# Altium PCB Power Distribution Board.PcbDoc (part 1 of 2) (continued)
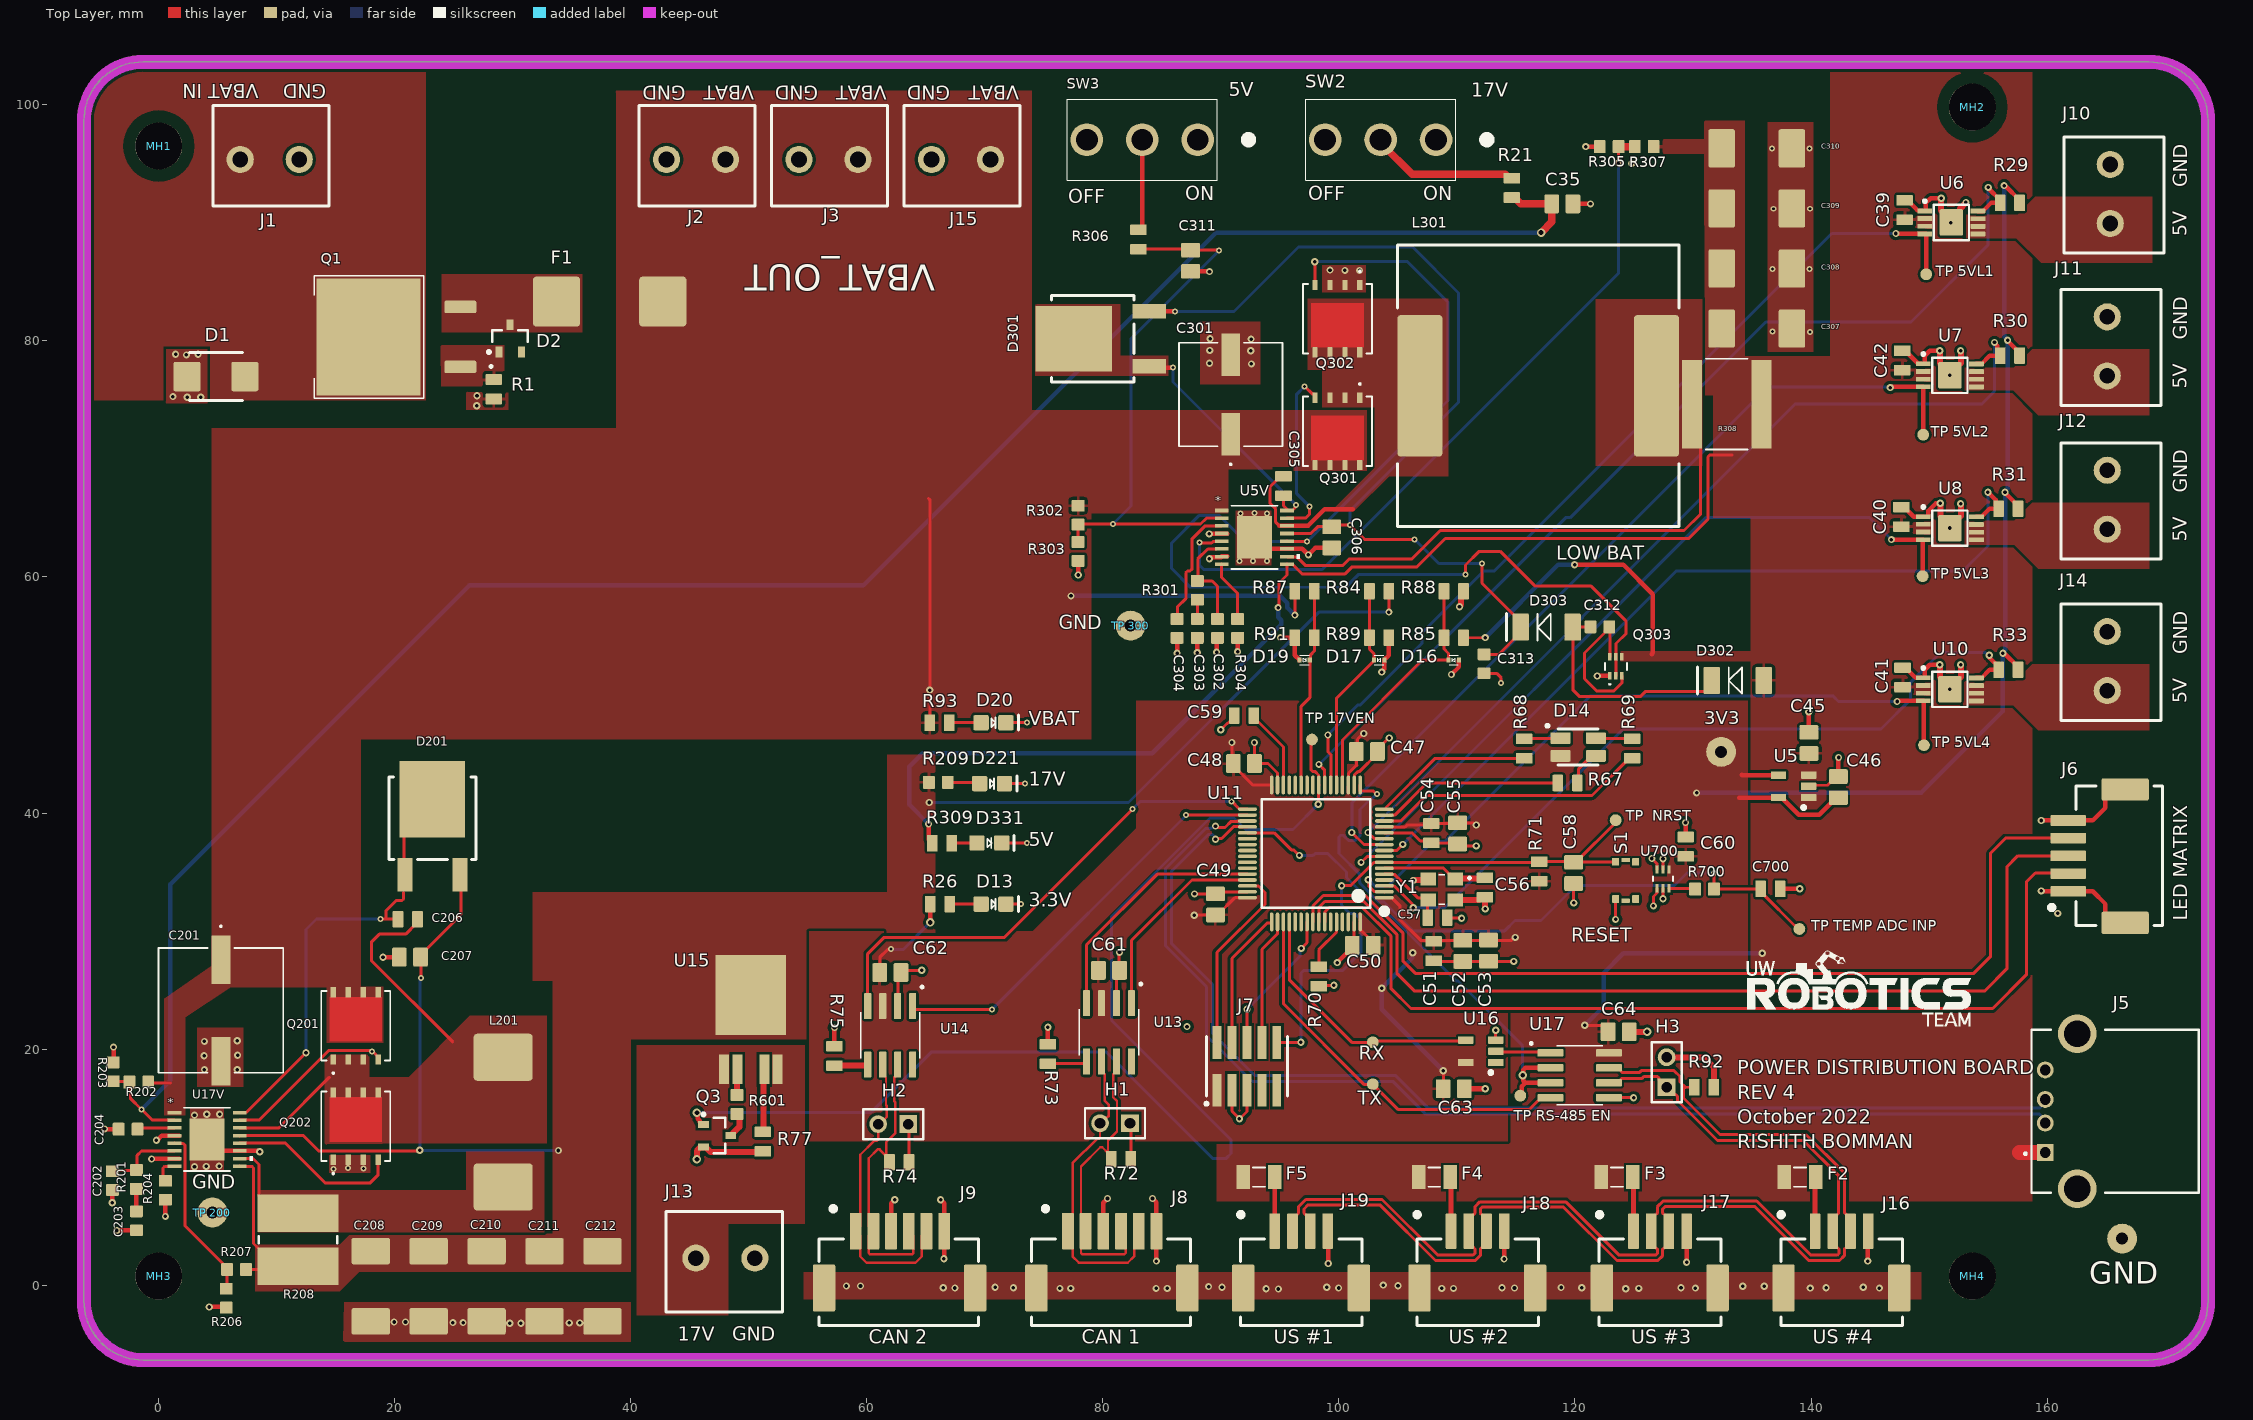
[diagram p0: Top Layer view]
## Components (designator, comment, footprint, x,y, rotation, side; value= is the part's Value field where it differs from the comment)
3V3 "TESTPOINT_LOOP" TESTPOINT_LOOP#1 132.385,45.187 r90 top (schematic designator TP11)
C35 "CAP_0.1uF_50V_0805" CAP2012 118.929,91.618 r180 top value=0.1μF (schematic designator C205)
C39 "CAP_1uF_16V_0805" CAP0805 147.93,91.098 r270 top value=1μF
C40 "CAP_1uF_16V_0805" CAP0805 147.65,65.087 r270 top value=1μF
C41 "CAP_1uF_16V_0805" CAP0805 147.752,51.498 r270 top value=1μF
C42 "CAP_1uF_16V_0805" CAP0805 147.726,78.347 r270 top value=1μF
C45 "CAP_1uF_50V_0805" CAP2012 139.827,45.943 r270 top value=1μF
C46 "CAP_1uF_50V_0805" CAP2012 142.316,42.195 r270 top value=1μF
C47 "CAP_0.1uF_50V_0805" CAP2012 102.362,45.212 r180 top value=0.1μF
C48 "CAP_0.1uF_50V_0805" CAP2012 91.948,44.196 r180 top value=0.1μF
C49 "CAP_0.1uF_50V_0805" CAP2012 89.535,32.258 r270 top value=0.1μF
C50 "CAP_0.1uF_50V_0805" CAP2012 102.012,28.778 r0 top value=0.1μF
C51 "CAP_4.7uF_16V_0805" CAP0805 108.026,28.309 r90 top value=4.7μF
C52 "CAP_0.1uF_50V_0805" CAP2012 110.49,28.321 r90 top value=0.1μF
C53 "CAP_0.1uF_50V_0805" CAP2012 112.674,28.34 r90 top value=0.1μF
C54 "CAP_0.01uF_100V_0805" CAP0805 107.823,38.291 r90 top value=0.01μF
C55 "CAP_1uF_50V_0805" CAP2012 110.058,38.272 r90 top value=1μF
C56 "CAP_14pF_50V_0805" CAP0805 112.37,33.694 r270 top value=14pF
C57 "CAP_14pF_50V_0805" CAP0805 108.343,31.14 r0 top value=14pF
C58 "CAP_1uF_50V_0805" CAP2012 119.888,34.925 r90 top value=1μF
C59 "CAP_4.7uF_16V_0805" CAP0805 91.948,48.26 r0 top value=4.7μF
C60 "CAP_0.01uF_100V_0805" CAP0805 129.388,37.147 r270 top value=0.01μF
C61 "CAP_0.1uF_50V_0805" CAP2012 80.518,26.67 r180 top value=0.1μF
C62 "CAP_0.1uF_50V_0805" CAP2012 61.989,26.486 r180 top value=0.1μF
C63 "CAP_0.1uF_50V_0805" CAP2012 109.728,16.637 r180 top value=0.1μF
C64 "CAP_0.1uF_50V_0805" CAP2012 123.698,21.463 r180 top value=0.1μF
C201 "CAP_47uF_100V_ALUM_1" CAP_UCD_10X10_NCH-M 5.258,23.279 r270 top value=47µF
C202 "CAP_100pF_100V_0603" CAP0603 -3.937,8.852 r270 top value=100pF
C203 "CAP_2200pF_100V_0603" CAP0603 -1.891,5.448 r270 top value=2200pF
C204 "CAP_8200pF_100V_0603" CAP0603 -2.604,13.208 r180 top value=8200pF
C206 "CAP_0.1uF_100V_0805" CAP0805 21.094,30.988 r0 top value=0.1µF
C207 "CAP_1uF_100V_0805" CAP2012 21.279,27.788 r180 top value=1μF
C208 "CAP_22uF_25V_TANT" CAP2917 17.958,-0.098 r270 top value=22μF
C209 "CAP_22uF_25V_TANT" CAP2917 22.866,-0.098 r270 top value=22μF
C210 "CAP_22uF_25V_TANT" CAP2917 27.775,-0.098 r270 top value=22μF
C211 "CAP_22uF_25V_TANT" CAP2917 32.683,-0.098 r270 top value=22μF
C212 "CAP_22uF_25V_TANT" CAP2917 37.592,-0.098 r270 top value=22μF
C301 "CAP_33uF_100V_ALUM" CAP_J-V_8X10P5_RUB-M 90.83,75.463 r90 top value=33µF
C302 "CAP_100pF_100V_0603" CAP0603 89.704,55.639 r270 top value=100pF
C303 "CAP_5600pF_100V_0603" CAP0603 87.994,55.639 r270 top value=5600pF
C304 "CAP_8200pF_100V_0603" CAP0603 86.284,55.639 r270 top value=8200pF
C305 "CAP_0.1uF_100V_0805" CAP0805 95.301,67.704 r90 top value=0.1µF
C306 "CAP_2.2uF_100V_0805" CAP2012 99.39,63.354 r270 top value=2.2μF
C307 "CAP_150uF_16V_TANT_1" CAP2917 135.407,81.051 r0 top value=150μF
C308 "CAP_150uF_16V_TANT_1" CAP2917 135.407,86.14 r0 top value=150μF
C309 "CAP_150uF_16V_TANT_1" CAP2917 135.407,91.228 r0 top value=150μF
C310 "CAP_150uF_16V_TANT_1" CAP2917 135.407,96.317 r0 top value=150μF
C311 "CAP_0.1uF_50V_0805" CAP2012 87.427,86.798 r90 top value=0.1μF
C312 "CAP_1uF_25V_0603" CAP0603 122.11,55.778 r0 top value=1μF
C313 "CAP_1uF_25V_0603" CAP0603 112.293,52.641 r270 top value=1μF
C700 "CAP_0.01uF_100V_0805" CAP0805 136.563,33.579 r180 top value=0.01μF
D1 "TVS_DIODE_BIDIR_51V" TVS_DIODE_BIDIR_SMB 4.84,76.987 r0 top
D2 "DIO_ZENER_51V" SOT23-3 29.769,80.213 r90 top
D13 "DIO_LED_G" LED_0805_GREEN 70.728,32.283 r0 top
D14 "LED_RGB" LED_RGB 120.269,45.593 r270 top
D16 "TVS_DIODE_UNIDIR_3.3V_7A" SOD-923 109.728,52.959 r0 top
D17 "TVS_DIODE_UNIDIR_3.3V_7A" SOD-923 103.409,52.959 r0 top
D19 "TVS_DIODE_UNIDIR_3.3V_7A" SOD-923 97.091,52.959 r180 top
D20 "LED_GREEN" LED_0805_GREEN 70.728,47.65 r0 top
D201 "DIO_SCHOTTKY_100V_5.5A" D-PAK3 23.19,37.973 r0 top
D221 "LED_GREEN" LED_0805_GREEN 70.603,42.494 r0 top
D301 "DIO_SCHOTTKY_100V_5.5A" D-PAK3 80.721,80.188 r90 top
D302 "DIO_SCHOTTKY_30V_2A" SOD-128 133.797,51.232 r180 top
D303 "DIO_SCHOTTKY_30V_2A" SOD-128 117.592,55.753 r180 top
D331 "LED_GREEN" LED_0805_GREEN 70.375,37.465 r0 top
F1 "FUSE_30A_3912" FUSE_3912 38.206,83.337 r0 top
F2 "FUSE_250mA_1206" FUSE_1206 139.065,9.144 r180 top
F3 "FUSE_250mA_1206" FUSE_1206 123.571,9.144 r180 top
F4 "FUSE_250mA_1206" FUSE_1206 108.077,9.144 r180 top
F5 "FUSE_250mA_1206" FUSE_1206 93.218,9.144 r180 top
GND "TESTPOINT_LOOP" TESTPOINT_LOOP#2 155.75,3.937 r180 top (schematic designator TP12)
H1 "JUMPER_2" HDR1X2 82.296,13.716 r180 top
H2 "JUMPER_2" HDR1X2 63.494,13.642 r180 top
H3 "JUMPER_2" HDR1X2 127.762,16.764 r90 top
J1 "CON_2M_TERM" 1935161 9.398,95.377 r180 top
J2 "CON_2M_TERM" 1935161 45.517,95.377 r180 top
J3 "CON_2M_TERM" 1935161 56.744,95.377 r180 top
J5 "USB-A 2.0 Connector" "USB-A 2.0 Connector - 3d ver" 162.56,14.732 r90 top
J6 "CON_5M_SM_RA" MOLEX-5025850570 161.798,33.37 r270 top
J7 "CON_PROGRAMMING" FTSH-105-01-F-DV-K-P-TR 92.202,18.542 r0 top
J8 "CON_6M_SM_RA_1.5mm" MOLEX-5025850670 77.034,4.572 r180 top
J9 "CON_6M_SM_RA_1.5mm" MOLEX-5025850670 59.048,4.572 r180 top
J10 "CON_2M_TERM" 1935161 165.354,92.456 r90 top
J11 "CON_2M_TERM" 1935161 165.1,79.542 r90 top
J12 "CON_2M_TERM" 1935161 165.1,66.548 r90 top
J13 "CON_2M_TERM" 1935161 48.006,2.286 r0 top
J14 "CON_2M_TERM" 1935161 165.1,52.872 r90 top
J15 "CON_2M_TERM" 1935161 67.97,95.377 r180 top
J16 "CON_4M_SM_RA" MOLEX-5025850470 140.343,4.566 r180 top
J17 "CON_4M_SM_RA" MOLEX-5025850470 124.955,4.566 r180 top
J18 "CON_4M_SM_RA" MOLEX-5025850470 109.498,4.572 r180 top
J19 "CON_4M_SM_RA" MOLEX-5025850470 94.56,4.572 r180 top
L201 "IND_22uH_9A" IND_BOURNS_SRP1265 29.185,13.806 r270 top
L301 "IND_10uH_16.5A" IND_Shenzen_Sunlord_MWLA1707 116.886,76.2 r0 top
MH1 "MOUNTING_HOLE_5/32" MOUNTING_HOLE_5/38#1 3.048,98.806 r0 top
MH2 "MOUNTING_HOLE_5/32" MOUNTING_HOLE_5/38#2 120.396,99.314 r0 top
MH3 "MOUNTING_HOLE_5/32" MOUNTING_HOLE_5/38#3 1.524,0.762 r0 top
MH4 "MOUNTING_HOLE_5/32" MOUNTING_HOLE_5/38#4 122.428,0.508 r0 top
Q1 "PMOS_100V_38A" "DPAK254P1524X483-4_3N - new" 19.152,80.34 r180 top
Q3 "PMOS_60V_120mA" SOT23-3 47.302,12.664 r0 top
Q201 "AONS66923" DFN5X6_8L_EP1_P_AOS-L 16.688,21.971 r90 top
Q202 "AONS66923" DFN5X6_8L_EP1_P_AOS-L 16.688,13.462 r90 top
Q301 "AONS66923" DFN5X6_8L_EP1_P_AOS-L 99.873,72.339 r270 top
Q302 "AONS66923" DFN5X6_8L_EP1_P_AOS-L 99.873,81.89 r270 top
Q303 "DUAL_MOSFET_20V_650mA_P&N" ES6-M 123.469,52.426 r90 top
R1 "RES_1kΩ_0805_1%" RES0805 28.397,75.907 r90 top value=1kΩ
R21 "RES_1kΩ_0805_1%_1" RES0805 114.656,92.977 r270 top value=1kΩ (schematic designator R205)
R26 "RES_220Ω_0805_5%" RES0805 66.194,32.283 r180 top value=220Ω
R29 "RES_10kΩ_0805_5%" RES0805 156.845,91.694 r0 top value=10kΩ
R30 "RES_10kΩ_0805_5%" RES0805 156.845,78.76 r0 top value=10kΩ
R31 "RES_10kΩ_0805_5%" RES0805 156.718,65.786 r0 top value=10kΩ
R33 "RES_10kΩ_0805_5%" RES0805 156.718,52.133 r0 top value=10kΩ
R67 "RES_20Ω_0805_1%" RES0805 119.38,42.545 r180 top value=20Ω
R68 "RES_120Ω_0805_1%" RES0805 115.697,45.466 r90 top value=120Ω
R69 "RES_20Ω_0805_1%" RES0805 124.841,45.466 r270 top value=20Ω
R70 "RES_10kΩ_0805_5%" RES0805 98.298,26.162 r270 top value=10kΩ
R71 "RES_10kΩ_0805_5%" RES0805 116.967,35.052 r270 top value=10kΩ
R72 "RES_120Ω_0805_1%" RES0805 81.534,10.668 r180 top value=120Ω
R73 "RES_0Ω_0805" RES0805 75.336,19.583 r90 top value=0Ω
R74 "RES_120Ω_0805_1%" RES0805 62.738,10.414 r180 top value=120Ω
R75 "RES_0Ω_0805" RES0805 57.252,19.419 r90 top value=0Ω
R77 "RES_1kΩ_0805_1%" RES0805 51.181,12.153 r90 top value=1kΩ
R84 "RES_5.6kΩ_0805" RES0805 103.409,58.801 r0 top value=5.6kΩ
R85 "RES_2.2kΩ_0805" RES0805 109.728,54.864 r0 top value=2.2kΩ
R87 "RES_15kΩ_0805_1%" RES0805 97.091,58.801 r180 top value=15kΩ
R88 "RES_3.3kΩ_0805_1%" RES0805 109.728,58.801 r180 top value=3.3kΩ
R89 "RES_1.2kΩ_0805" RES0805 103.409,54.864 r180 top value=1.2kΩ
R91 "RES_1kΩ_0805_1%_1" RES0805 97.091,54.864 r0 top value=1kΩ
R92 "RES_120Ω_0805_1%" RES0805 130.937,16.764 r180 top value=120Ω
R93 "RES_10kΩ_0805_5%" RES0805 66.156,47.65 r180 top value=10kΩ
R201 "RES_20kΩ_0603_1%" RES0603 -1.891,9.753 r270 top value=20kΩ
R202 "RES_169kΩ_0603_1%" RES0603 -0.889,17.196 r180 top value=169kΩ
R203 "RES_10kΩ_0603_5%" RES0603 -3.861,17.272 r90 top value=10kΩ
R204 "RES_33kΩ_0603_5%" RES0603 0.559,8.839 r270 top value=33kΩ
R206 "RES_10kΩ_0603_5%" RES0603 5.715,-0.305 r270 top value=10kΩ
R207 "RES_127kΩ_0603_1%" RES0603 7.391,1.321 r180 top value=127kΩ
R208 "RES_10mΩ_2728_1%" STAC-CSS2725-099H_V 11.786,3.85 r270 top value=10mΩ
R209 "RES_3kΩ_0603_1%" RES0603 65.253,42.596 r0 top value=3kΩ
R301 "RES_10kΩ_0603_5%" RES0603 87.994,59.664 r270 top value=10kΩ
R302 "RES_169kΩ_0603_1%" RES0603 77.902,66.04 r270 top value=169kΩ
R303 "RES_10kΩ_0603_5%" RES0603 77.902,62.967 r270 top value=10kΩ
R304 "RES_33kΩ_0603_5%" RES0603 91.415,56.439 r270 top value=33kΩ
R305 "RES_10kΩ_0603_5%" RES0603 123.698,96.469 r180 top value=10kΩ
R306 "RES_1kΩ_0805_1%_1" RES0805 83.007,88.607 r270 top value=1kΩ
R307 "RES_30.9kΩ_0603_0.5%" RES0603 126.67,96.469 r180 top value=30.9kΩ
R308 "RES_5mΩ_2728_1%" STA_CSSH2728_STP-M 132.855,74.651 r0 top value=5mΩ
R309 "RES_787Ω_0805_1%" RES0805 66.358,37.44 r0 top value=787Ω
R601 "RES_1kΩ_0603_5%" RES0603 48.997,14.503 r90 top value=1kΩ
R700 "RES_220Ω_0603_5%" RES0603 130.175,33.553 r0 top value=220Ω
RX "TESTPOINT_1MM_CIRCLE" TESTPOINT_CIRCLE_1MM 102.87,20.574 r0 top (schematic designator TP13)
S1 "SW_PUSHBUTTON" TACTILE_SWITCH_SMD 124.294,34.288 r90 top
SW2 "SW_SPDT" 100SP1T1B4M2QE 103.53,97.053 r180 top
SW3 "SW_SPDT3" 100SP1T1B4M2QE 83.337,97.053 r180 top
"TP 5VL1" "TESTPOINT_1MM_CIRCLE" TESTPOINT_CIRCLE_1MM 149.758,85.649 r90 top
"TP 5VL2" "TESTPOINT_1MM_CIRCLE" TESTPOINT_CIRCLE_1MM 149.504,72.06 r90 top
"TP 5VL3" "TESTPOINT_1MM_CIRCLE" TESTPOINT_CIRCLE_1MM 149.454,60.071 r90 top
"TP 5VL4" "TESTPOINT_1MM_CIRCLE" TESTPOINT_CIRCLE_1MM 149.571,45.745 r90 top
"TP 17VEN" "TESTPOINT_1MM_CIRCLE" TESTPOINT_CIRCLE_1MM 97.714,46.228 r90 top
"TP 200" "TESTPOINT_LOOP" TESTPOINT_LOOP#1 4.547,6.147 r90 top
"TP 300" "TESTPOINT_LOOP" TESTPOINT_LOOP#1 82.347,55.88 r90 top
"TP  NRST" "TESTPOINT_1MM_CIRCLE" TESTPOINT_CIRCLE_1MM 123.444,39.395 r90 top
"TP RS-485 EN" "TESTPOINT_1MM_CIRCLE" TESTPOINT_CIRCLE_1MM 115.367,16.053 r90 top
"TP TEMP ADC INP" "TESTPOINT_1MM_CIRCLE" TESTPOINT_CIRCLE_1MM 139.014,30.175 r90 top
TX "TESTPOINT_1MM_CIRCLE" TESTPOINT_CIRCLE_1MM 102.87,17.018 r180 top (schematic designator TP14)
U5 "LDO_3.3V_500mA" SOT23-5 138.523,42.266 r180 top
U5V "BUCK_LT3845A" LT3845AIFE#PBF 92.837,63.358 r0 top
U6 "BD82006FVJ-MGE2" 8-TSSOP-BJ 151.892,90.043 r0 top
U7 "BD82006FVJ-MGE2" 8-TSSOP-BJ 151.765,77.089 r0 top
U8 "BD82006FVJ-MGE2" 8-TSSOP-BJ 151.765,64.135 r0 top
U10 "BD82006FVJ-MGE2" 8-TSSOP-BJ 151.765,50.482 r0 top
U11 "STM32F446RET6" STM-LQFP64_L 98.044,36.576 r180 top
U13 "IC_CAN_TRANSCEIVER" SOIC127P600X175-8N 80.518,21.411 r270 top
U14 "IC_CAN_TRANSCEIVER" SOIC127P600X175-8N 61.976,21.157 r270 top
U15 "BTS5014SDAAUMA1" D2PAK-4 50.165,22.479 r0 top
U16 "IC_BUFFER" SOT23-5 112.014,19.812 r180 top
U17 "MAX485CSA" SOIC127P600X175-8N 120.396,17.78 r0 top
U17V "BUCK_LT3845A" LT3845AIFE#PBF 4.089,12.344 r0 top
U700 "IC_TEMP_SENSOR_Replaced" DRL6-M 127.457,34.417 r90 top
Y1 "CRYSTAL_25MHZ_20PF" XTAL_ECS-250-20-33-CKM-TR 108.712,33.528 r180 top

## Footprints (in the part's own frame and the unit in brackets; to place one, negate y for a bottom-side part, rotate by r counter-clockwise, add the part's x,y. Pads: shape width x height; smd on the part's side, far side on the other; paste and mask are expansions set on the pad)
8-TSSOP-BJ [mm]
  rrect15% 1.25x0.4 smd: 1(-2.25,0.975) 2(-2.25,0.325) 3(-2.25,-0.325) 4(-2.25,-0.975) 5(2.25,-0.985) 6(2.25,-0.335) 7(2.25,0.315) 8(2.25,0.965)
  rrect15% 2x2.25 smd: 9(0,0)
  silkscreen extent -2.37,-1.5 1.5,1.92, body extent -2.47,-1.5 2.53,1.5, height 1.09
100SP1T1B4M2QE [mm]
  round 2.775 hole 1.85: 1(-4.7,0) 2(0,0) 3(4.7,0)
  silkscreen extent -9.3,-3.43 6.35,3.43, body extent -6.35,-3.43 6.35,3.43, height 29.63
1935161 [mm] "TERM BLK 2POS SIDE ENTRY 5MM PCB"
  round 2.3 hole 1.325: 1(-2.5,0) 2(2.5,0)
  silkscreen extent -5.01,-4.57 4.83,3.94, body extent -5.01,-5.06 5.39,3.94, height 11.41
CAP0603 [mm]
  rrect20% 1x1.1 smd: 1(-0.8,0) 2(0.8,0)
  body extent -0.87,-0.48 0.88,0.48, height 0.87
CAP0805 [mm] "Chip Capacitor, Body 2.0x1.2mm, Height 0.45mm, IPC Medium Density"
  rrect15% 0.9x1.4 smd: 1(-0.825,0) 2(0.825,0)
  body extent -1.1,-0.73 1.1,0.73, height 1.39
CAP2012 [mm]
  rrect20% 1.25x1.6 smd: 1(-0.895,0) 2(0.895,0)
  body extent -1.1,-0.7 1.1,0.75, height 1.41
CAP2917 [mm]
  rrect15% 2.25x3.25 smd: 1(-2.975,0) 2(2.975,0)
  body extent -3.78,-2.17 3.72,2.13, height 2.8
CAP_J-V_8X10P5_RUB-M [mil]
  rect 142x63 smd paste+0 mask+0: 1(-132,0) 2(132,0)
  silkscreen extent -236,-172 172,172, body extent -175,-167 175,167, height 415
CAP_UCD_10X10_NCH-M [mil]
  rect 162x63 smd paste+0 mask+0: 1(-169.5,0) 2(169.5,0)
  silkscreen extent -283,-208 208,208, body extent -222,-203 222,203, height 415
D2PAK-4 [mm]
  rect 0.85x2.5 smd: 1(-2.28,-4.2) 2(-1.14,-4.2) 4(1.14,-4.2) 5(2.28,-4.2)
  rect 6x6.75 smd: 3(0,2.1)
  body extent -3.25,-4.7 3.25,5.2, height 2.3
D-PAK3 [mm]
  rect 1.25x2.85 smd: 1(-2.325,-3.2) 2(2.325,-3.2)
  rect 5.55x6.5 smd: 3(0,3.2)
  silkscreen extent -3.68,-1.91 3.68,5.08, body extent -3.27,-4.08 3.27,5.8, height 2.64
DFN5X6_8L_EP1_P_AOS-L [mil]
  rect 34x18 smd paste+0 mask+0: 1(-112,75) 2(-112,25) 3(-112,-25) 4(-112,-75) 5(112,-75) 6(112,-25) 7(112,25) 8(112,75)
  Top Layer region: 96,-87.5 96,87.5 -52,87.5 -52,-87.5
  silkscreen extent -161,-115 116,115, body extent -121,-110 121,110, height 39
"DPAK254P1524X483-4_3N - new" [mm]
  rrect25% 2.7x1.06 smd: 1(-6.4,2.54) 3(-6.4,-2.54)
  rect 8.8x9.9 smd: 2(1.397,0)
  silkscreen extent -9.1,-5.2 5.97,5.2, body extent -7.62,-5.08 7.62,5.08, height 4.83
DRL6-M [mm]
  rect 0.705x0.25 smd: 1(-0.802,0.5) 2(-0.802,0) 3(-0.802,-0.5) 4(0.802,-0.5) 5(0.802,0) 6(0.802,0.5)
  silkscreen extent -0.2,-0.85 0.2,0.85, body extent -0.85,-0.85 0.85,0.85, height 0.6
ES6-M [mil]
  rect 25x12 smd paste+0 mask+0: 1(-32,20) 2(-32,0) 3(-32,-20) 4(32,-20) 5(32,0) 6(32,20)
  silkscreen extent -62,-36 12,36, body extent -31,-31 31,31, height 22
FTSH-105-01-F-DV-K-P-TR [mil] "Samtec programming header 10 positions"
  rect 29x110 smd mask+2: 1(-100,-80) 2(-100,80) 3(-50,-80) 4(-50,80) 5(0,-80) 6(0,80) 7(50,-80) 8(50,80) 9(100,-80) 10(100,80)
  silkscreen extent -140,-130 135,100, body extent -125,-175 125,115, height 276
FUSE_1206 [mil]
  rect 45x80 smd mask+1: 1(-52.5,0) 2(52.5,0)
  silkscreen extent -20,-32 20,32, body extent -65,-32 65,32, height 32
FUSE_3912 [mm] "Chip Fuse, Body 9.8x2.03mm"
  rrect15% 4x4.25 smd: 1(-4.5,0) 2(4.5,0)
  body extent -4.9,-1.53 4.9,1.53, height 3.18
HDR1X2 [mm] "Connector; Header; 2 Position"
  rect 1.5x1.5 hole 0.9: 1(0,0)
  round 1.5 hole 0.9: 2(2.54,0)
  silkscreen extent -1.27,-1.27 3.81,1.27, body extent -1.27,-1.27 3.81,1.27, height 6.35
IND_BOURNS_SRP1265 [mm]
  rrect15% 4x5 smd: 1(-5.5,0) 2(5.5,0)
  body extent -6.95,-6.74 6.95,6.74, height 5.94
IND_Shenzen_Sunlord_MWLA1707 [mm]
  rrect15% 3.825x12 smd: 1(-10.028,0) 2(10.025,0)
  silkscreen extent -11.94,-11.94 11.94,11.94, body extent -11.94,-11.94 11.94,11.95, height 7
LED_0805_GREEN [mm] "SMD, 2-Leads, Body 2x1.25mm"
  rrect20% 1.3x1.3 smd: 1(-1.05,0) 2(1.05,0)
  silkscreen extent -0.18,-0.64 2.11,0.64, body extent -1,-0.62 1,0.63, height 1.12
LED_RGB [mm]
  rrect20% 1x1.7 smd: 1(-0.75,-1.5) 2(-0.75,1.5) 3(0.75,1.5) 4(0.75,-1.5)
  silkscreen extent -1.92,-2.72 1.53,1.7, body extent -1.4,-1.75 1.4,1.75, height 1.89
LT3845AIFE#PBF [mil]
  rect 46x12 smd paste+0 mask+0: 1(-109,89.6) 2(-109,64) 3(-109,38.4) 4(-109,12.8) 5(-109,-12.8) 6(-109,-38.4) 7(-109,-64) 8(-109,-89.6) 9(109,-89.6) 10(109,-64) 11(109,-38.4) 12(109,-12.8) 13(109,12.8) 14(109,38.4) 15(109,64) 16(109,89.6)
  rect 116x141 smd paste-70 mask+0: 17(0,0)
  silkscreen extent -77,-106 152,106, body extent -126,-100 126,101, height 67
MOLEX-5025850470 [mm] "CLIK-Mate, Surface Mount, Right Angle, 1.5mm pitch"
  rrect15% 1.9x4 smd: 0(-7.125,4.82) 0(2.675,4.82)
  rrect15% 0.9x3 smd: 1(0,0) 2(-1.5,0) 3(-3,0) 4(-4.5,0)
  silkscreen extent -7.4,-1.6 3.07,8, body extent -7.45,-0.62 2.85,7.88, height 6.41
MOLEX-5025850570 [mm]
  rrect15% 1.9x4 smd: 0(-8.625,4.82) 0(2.675,4.82)
  rrect15% 0.9x3 smd: 1(0,0) 2(-1.5,0) 3(-3,0) 4(-4.5,0) 5(-6,0)
  silkscreen extent -8.9,-1.6 2.9,8, body extent -8.9,-0.5 2.9,8, height 6.21
MOLEX-5025850670 [mm]
  rrect15% 1.9x4 smd: 0(-10.125,4.82) 0(2.675,4.82)
  rrect15% 1x3.1 smd: 1(0,0) 2(-1.5,0) 3(-3,0) 4(-4.5,0) 5(-6,0) 6(-7.5,0)
  silkscreen extent -10.4,-2.1 3.1,8, body extent -10.25,-0.62 3.05,7.88, height 6.41
MOUNTING_HOLE_5/38#1 [mm] "Meant to use with Mcmaster-carr PN: 91443A250"
  round 3.97 hole 3.97 unplated mask+0.3: 0(-3.048,-2.286)
MOUNTING_HOLE_5/38#2 [mm] "Meant to use with Mcmaster-carr PN: 91443A250"
  round 3.97 hole 3.97 unplated mask+0.3: 0(33.274,0.508)
MOUNTING_HOLE_5/38#3 [mm] "Meant to use with Mcmaster-carr PN: 91443A250"
  round 3.97 hole 3.97 unplated mask+0.3: 0(-1.524,0)
MOUNTING_HOLE_5/38#4 [mm] "Meant to use with Mcmaster-carr PN: 91443A250"
  round 3.97 hole 3.97 unplated mask+0.3: 0(31.242,0.254)
RES0603 [mm] "Chip Resistor, Body 1.6x0.8mm, IPC Medium Density"
  rrect15% 1x1.1 smd: 1(0,0) 2(1.6,0)
  body extent 0,-0.4 1.6,0.4, height 0.46
RES0805 [mm] "Chip Resistor, 2-Leads, Body 2.00x1.25mm, IPC High Density"
  rrect15% 0.9x1.4 smd: 1(-0.825,0) 2(0.825,0)
  body extent -1,-0.62 1,0.63, height 0.61
SOD-128 [mm]
  rrect15% 1.4x2.3 smd: 1(-2.2,0) 2(2.2,0)
  silkscreen extent -0.36,-1.15 3.4,1.15, body extent -2.43,-1.24 2.43,1.24, height 1.05
SOD-923 [mm]
  rrect15% 0.35x0.45 smd mask+0.05: 1(-0.437,0) 2(0.437,0)
  silkscreen extent -0.4,-0.4 0.4,0.4, body extent -0.53,-0.32 0.53,0.32, height 0.43
SOIC127P600X175-8N [mm]
  rrect15% 2.2x0.6 smd: 1(-2.475,1.905) 2(-2.475,0.635) 3(-2.475,-0.635) 4(-2.475,-1.905) 5(2.475,-1.905) 6(2.475,-0.635) 7(2.475,0.635) 8(2.475,1.905)
  silkscreen extent -4.2,-2.51 1.95,2.8, body extent -3,-2.45 3,2.45, height 1.75
SOT23-3 [mm] "SOT23, 3-Leads, Body 2.90x2.30mm, Pitch 0.95mm, IPC Medium Density"
  rect 0.9x0.6 smd: 1(-1.15,0.95) 2(-1.15,-0.95) 3(1.15,0)
  silkscreen extent -1.27,-1.5 0.7,1.92, body extent -1.3,-1.5 1.3,1.5, height 1.1
SOT23-5 [mm]
  rrect15% 1.3x0.63 smd: 1(-1.279,0.95) 2(-1.279,0) 3(-1.279,-0.95) 4(1.279,-0.95) 5(1.279,0.95)
  silkscreen extent -0.99,1.66 -0.71,1.94, body extent -1.4,-1.45 1.4,1.45, height 1.2
STA_CSSH2728_STP-M [mil]
  rect 67x295 smd paste+0 mask+0: 1(-115.5,0) 2(115.5,0)
  silkscreen extent -70,-152 70,152, body extent -137,-146 137,146, height 49
STAC-CSS2725-099H_V [mm] "Chip Resistor, 2-Leads, Body 7.06x6.7mm"
  rect 3.18x6.86 smd: 1(-2.25,0) 2(2.25,0)
  silkscreen extent -0.3,-3.33 0.3,3.33, body extent -3.53,-3.35 3.53,3.35, height 1.24
STM-LQFP64_L [mm] "QFP, 64-Leads, Body 10x10mm, Pitch 0.5mm, IPC High Density"
  oval 1.6x0.3 smd: 1(-5.8,3.75) 2(-5.8,3.25) 3(-5.8,2.75) 4(-5.8,2.25) 5(-5.8,1.75) 6(-5.8,1.25) 7(-5.8,0.75) 8(-5.8,0.25) 9(-5.8,-0.25) 10(-5.8,-0.75) 11(-5.8,-1.25) 12(-5.8,-1.75) 13(-5.8,-2.25) 14(-5.8,-2.75) 15(-5.8,-3.25) 16(-5.8,-3.75) 33(5.8,-3.75) 34(5.8,-3.25) 35(5.8,-2.75) 36(5.8,-2.25) 37(5.8,-1.75) 38(5.8,-1.25) 39(5.8,-0.75) 40(5.8,-0.25) 41(5.8,0.25) 42(5.8,0.75) 43(5.8,1.25) 44(5.8,1.75) 45(5.8,2.25) 46(5.8,2.75) 47(5.8,3.25) 48(5.8,3.75)
  oval 0.3x1.6 smd: 17(-3.75,-5.8) 18(-3.25,-5.8) 19(-2.75,-5.8) 20(-2.25,-5.8) 21(-1.75,-5.8) 22(-1.25,-5.8) 23(-0.75,-5.8) 24(-0.25,-5.8) 25(0.25,-5.8) 26(0.75,-5.8) 27(1.25,-5.8) 28(1.75,-5.8) 29(2.25,-5.8) 30(2.75,-5.8) 31(3.25,-5.8) 32(3.75,-5.8) 49(3.75,5.8) 50(3.25,5.8) 51(2.75,5.8) 52(2.25,5.8) 53(1.75,5.8) 54(1.25,5.8) 55(0.75,5.8) 56(0.25,5.8) 57(-0.25,5.8) 58(-0.75,5.8) 59(-1.25,5.8) 60(-1.75,5.8) 61(-2.25,5.8) 62(-2.75,5.8) 63(-3.25,5.8) 64(-3.75,5.8)
  silkscreen extent -5.93,-4.6 4.6,5.02, body extent -5.98,-6 6.02,6, height 1.56
TACTILE_SWITCH_SMD [mm]
  rrect15% 0.65x0.6 smd: 1(-1.575,0.85) 2(1.575,0.85) 3(1.575,-0.85) 4(-1.575,-0.85)
  rrect15% 0.35x0.7 smd: 5(1.725,0) 6(-1.725,0)
  body extent -1.75,-1.35 1.75,1.35, height 1.6
TESTPOINT_CIRCLE_1MM [mm]
  round 1 smd: 1(0,0)
TESTPOINT_LOOP#1 [mm]
  round 2.54 hole 1.02: 1(0,0)
  body extent -1.27,-1.27 1.27,1.27, height 4.57
TESTPOINT_LOOP#2 [mm]
  round 2.54 hole 1.02: 1(-10.62,0)
  body extent -1.27,-1.27 1.27,1.27, height 4.57